# Altium PCB OneBox.PcbDoc (part 12 of 13) (continued)
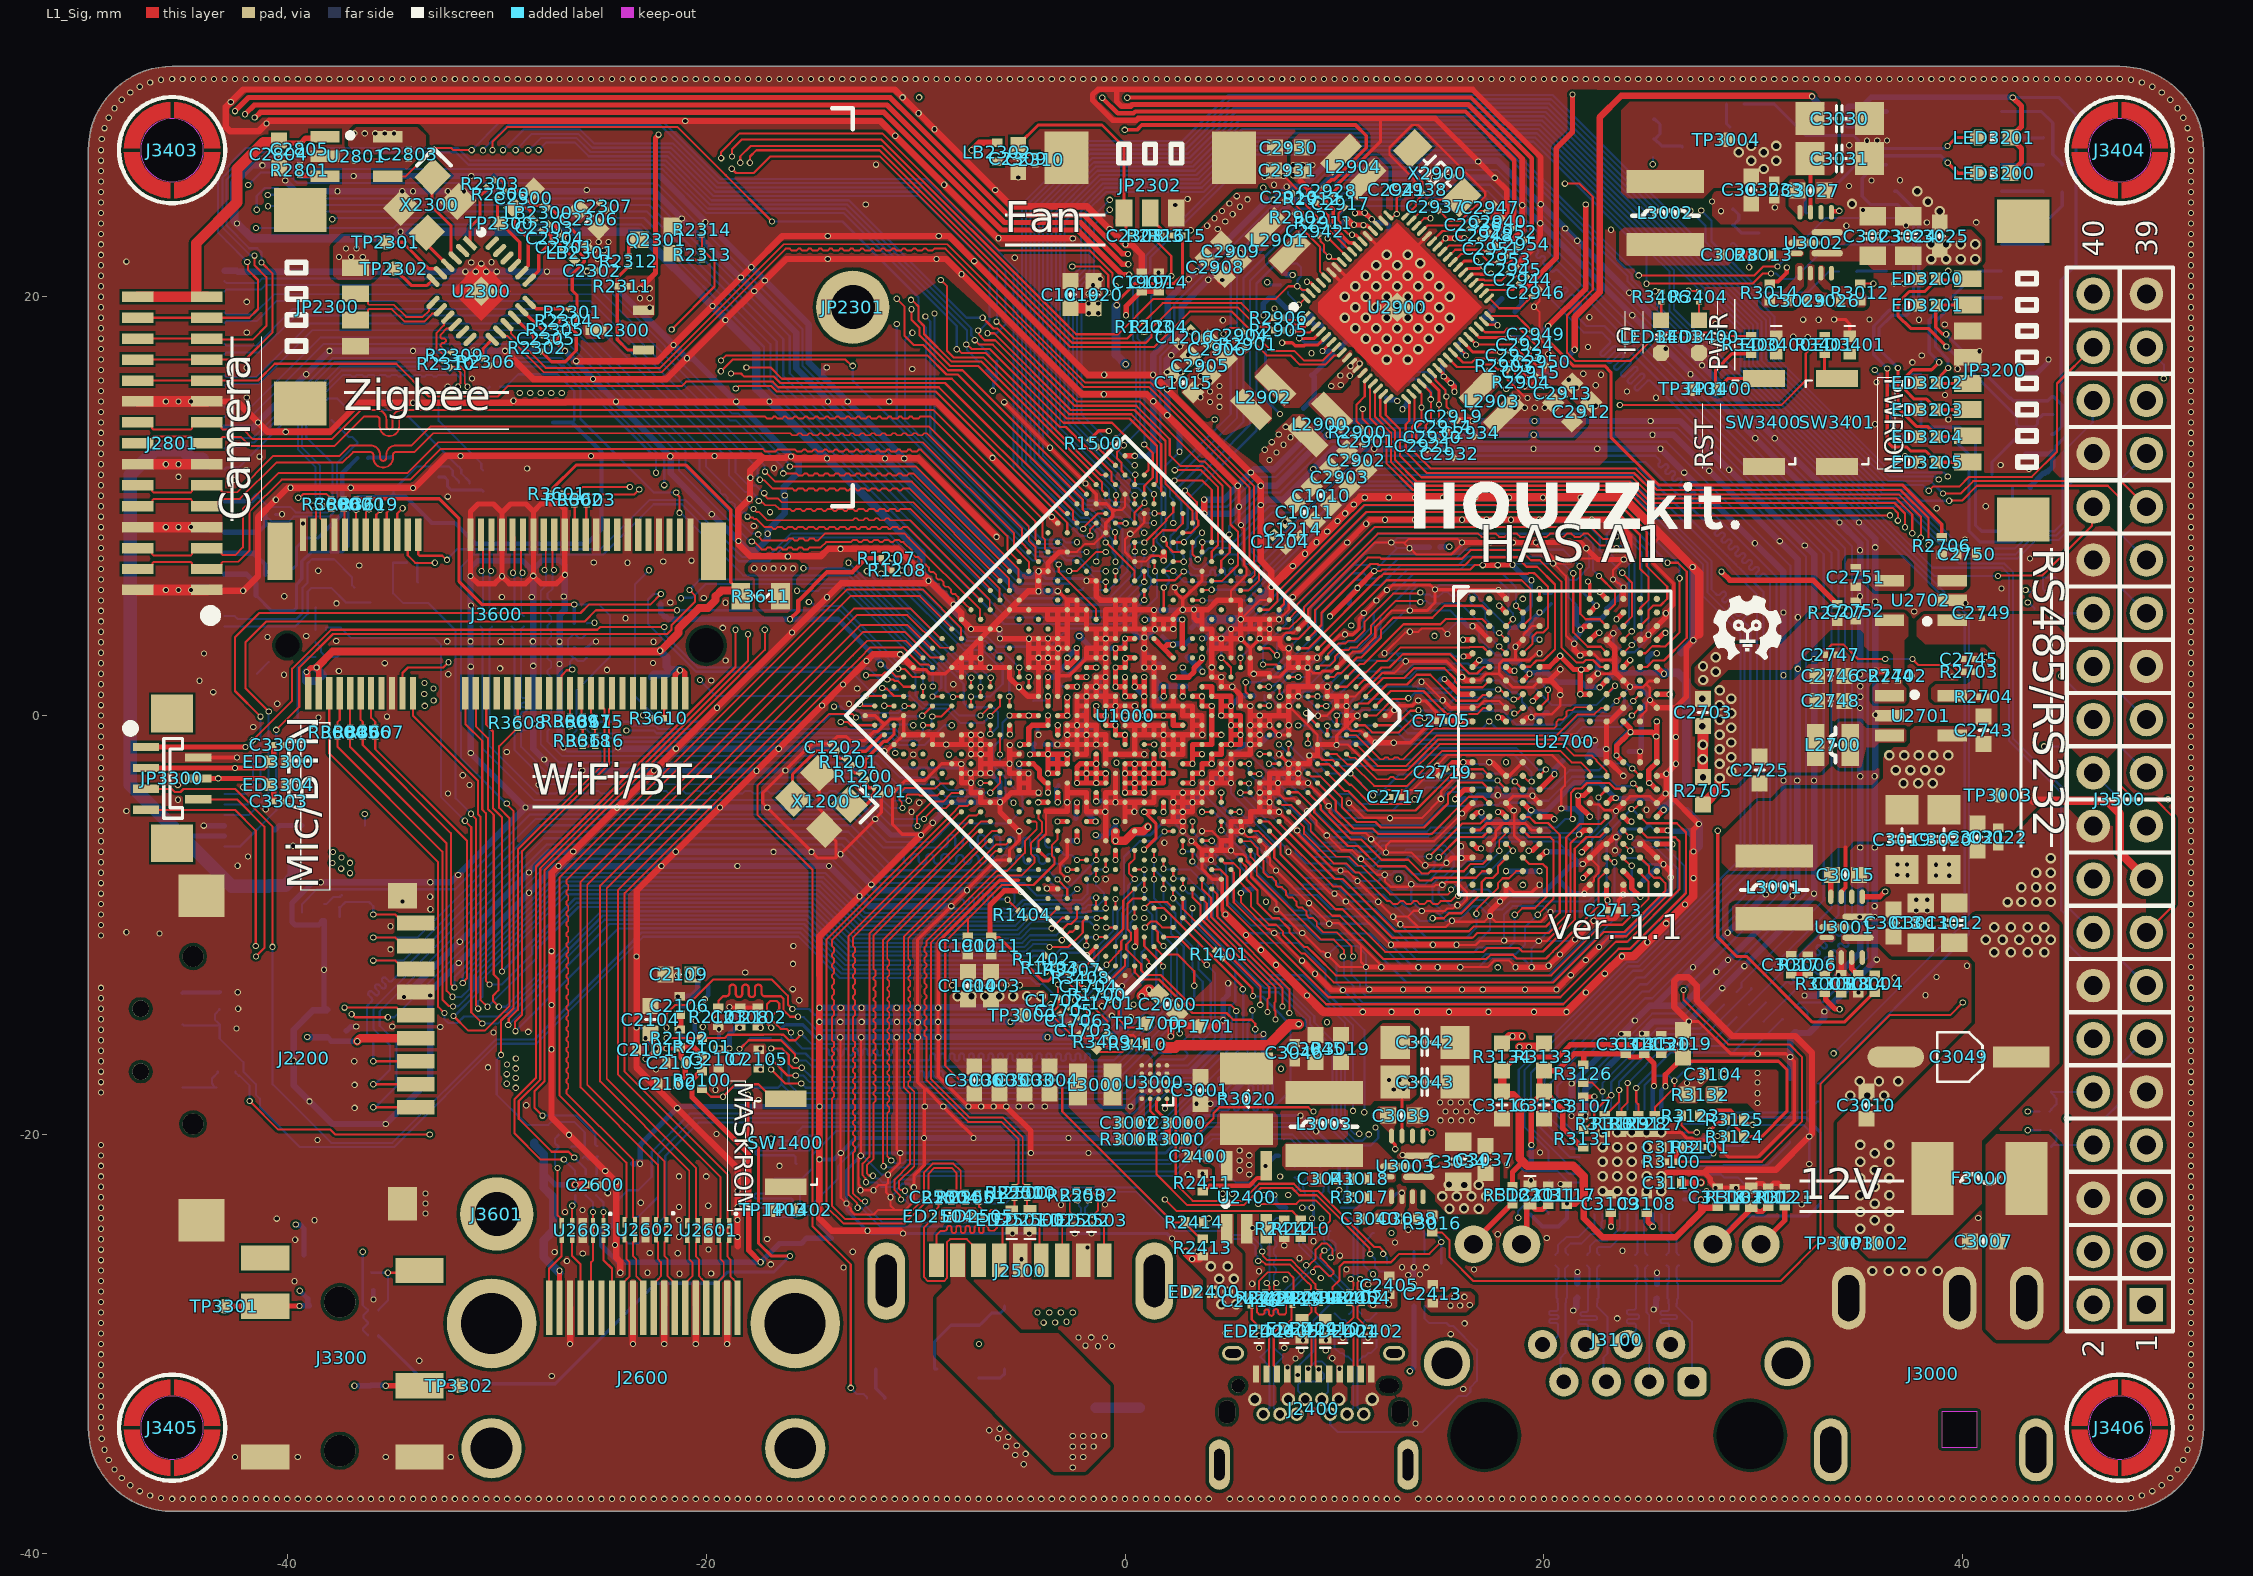
[diagram p0: L1_Sig view]
## Nets (pads, with @x,y where several pads share a name; then routed paths per layer and width w, separated by ;. In a path a pad name is that pad's centre, name@x,y a point inside that pad or via, vN(x,y) a via of type N, cw(c..) or ccw(c..) an arc to the next point about the centre after c; other vN are vias at no path point) (continued)
  L1_Sig w0.254: v1(-4.541,-1.852) -4.528,-1.852 -4.519,-1.843 -4.141,-1.843 U1000.U21@-4.137,-1.838 v1(-3.677,-1.838) ; U1000.U20@-3.677,-1.379 v1(-3.677,-1.838) ; v1@1.838,0.934 U1000.P11@1.838,1.379 ; -3.677,-2.298 v1(-3.677,-1.838) ; -3.677,-2.298 v1(-3.677,-2.758) U1000.R21@-3.217,-2.758 -3.217,-2.298 ; -3.677,-2.298 -3.217,-2.298 ; v1(-3.677,-1.838) -3.217,-1.838 ; -3.217,-2.298 U1000.R20@-2.758,-2.298 v1(-2.758,-1.838) -3.217,-1.838 ; -3.217,-2.298 -3.217,-1.838
  L4_Sig w0.152: v1(-2.758,-1.838) -0.323,-1.838 0.24,-1.275 1.407,-0.108 1.407,0.071 1.846,0.51 v1(1.846,0.927) 1.846,0.944 1.833,0.957 1.833,1.144 1.739,1.238 1.739,2.462 2.277,3 2.494,3 3.851,4.357 11.202,11.708 12.508,11.708 14.6,13.8 v1(14.6,15.1)
  L4_Sig w0.254: v1(-3.677,-1.838) v1@-3.663,-1.838 ; v1@14.591,15.091 v1(14.6,15.1)
  L6_Sig w0.152: LB2901.1@13.574,15.974 13.574,15.982 13.663,16.071 14.029,16.071 14.6,15.5 v1(14.6,15.1)
  L6_Sig w0.203: C1913.2@-4.518,-1.852 -4.445,-1.852 -4.37,-1.778 -4.37,-1.613 -4.367,-1.61 -4.367,-1.391 C1912.2@-4.345,-1.37
  L6_Sig w0.254: v1(-4.541,-1.852) -4.541,-1.854 C1913.2@-4.518,-1.876 -4.482,-1.839 v1(-3.677,-1.838) ; C1912.2@-4.345,-1.37 C1912.2@-4.343,-1.368 ; v1(-3.677,-2.758) v1(-3.677,-1.838) ; C1906.2@-3.076,-2.253 C1906.2@-3.126,-2.253 -3.199,-2.18 -3.335,-2.18 v1(-3.677,-1.838) ; v1@-2.767,-1.847 v1(-2.758,-1.838) v1(-3.677,-1.838) ; C1208.2@1.336,0.446 1.336,0.496 1.409,0.569 1.459,0.569 1.798,0.908 C1209.2@1.859,0.908
WIFI_LED: J3600.6 U1000.D27 | length 53
  L1_Sig w0.102: J3600.6@-38,1.075 -38,-1.8 -32.8,-7 -32.8,-13.9 v1(-32.5,-14.2) ; v1(-1.383,-10.581) -1.378,-10.576 -0.924,-10.576 U1000.D27@-0.919,-10.571
  L4_Sig w0.102: v1@-1.418,-10.616 v1(-1.383,-10.581)
  L6_Sig w0.102: v1(-32.5,-14.2) -32.5,-14.5 -32.328,-14.672 -31.872,-14.672 -31.567,-14.367 -29.893,-14.367 -29.664,-14.138 -29.52,-14.138 -24.928,-9.545 -15.165,-9.545 -13.251,-11.459 -4.649,-11.459 -4.418,-11.227 -3.894,-11.227 -3.739,-11.382 -3.312,-11.382 -3.051,-11.121 -2.49,-11.121 -1.95,-10.581 v1(-1.383,-10.581)
WIFI_REG_ON_H_GPIO3_D4: J3600.21 U1000.AA1 | length 71
  L1_Sig w0.102: J3600.21@-34.151,9.349 -34.151,8.724 J3600.21@-34.25,8.625 -34.25,7.65 -33.892,7.292 -32.959,7.292 v1(-32.954,7.297) ; v1(-6.564,18.26) -6.253,18.26 -2.587,14.594 0.45,14.594 1.932,13.112 1.932,11.068 3.217,9.783 U1000.AA1@3.217,9.192
  L4_Sig w0.102: v1(-32.954,7.297) -32.954,7.325 -32.292,7.987 -32.288,7.987 -30.378,9.897 -30.378,15.284 -28.61,17.053 -28.61,23.31 -29.7,24.4 v1(-29.7,27)
  L6_Sig w0.102: v1(-29.7,27) -28.721,27.979 -26.017,27.979 -25.353,27.315 -21.594,27.315 -21.294,27.015 -19.498,25.219 -9.677,25.219 -5.7,21.242 -5.7,18.7 -6.14,18.26 v1(-6.564,18.26)
WIFI_WAKE_HOST_H_GPIO3_D5: J3600.23 U1000.AA5 | length 45.5
  L1_Sig w0.102: J3600.23@-33.651,9.349 -33.75,9.25 J3600.23@-33.75,8.625 -33.75,7.695 -33.69,7.636 -32.603,7.636 -32.404,7.436 v1(-32.375,7.436) ; U1000.AA5@1.379,7.354 1.406,7.326 1.406,6.925 v1(1.434,6.897)
  L6_Sig w0.102: v1(-32.375,7.436) -32.375,7.468 -31.898,7.946 -25.054,7.946 -22.7,10.3 -21.586,10.3 -21.581,10.295 -20.995,10.295 -18.274,7.574 -17.065,7.574 -15.94,8.7 -11.3,8.7 -10.094,7.494 -10.094,6.392 -7.462,3.761 -6.574,3.761 -6.102,3.289 -3.59,3.289 -2.711,4.168 0.04,4.168 1.523,5.651 1.523,6.754 1.434,6.843 v1(1.434,6.897)
WIFIBT_32KIN_1T1R: C3607.1 J3600.50 R3612.1 R3613.2 R3614.2 | length 5.1
  L1_Sig w0.104: J3600.50@-27,1.075 -26.902,1.173 -26.902,1.898 -26.9,1.9 -26.9,1.917 -26.656,2.162 -26.438,2.162 v1(-26.4,2.2)
  L6_Sig w0.104: v1(-26.4,2.2) -26.4,2.254 -26.5,2.354 -26.5,2.575 R3614.2@-26.325,2.75 ; C3607.1@-25.7,2.75 -25.725,2.75 -25.875,2.6 -26.125,2.6 -26.275,2.75 R3614.2@-26.3,2.75 R3614.2@-26.325,2.75 ; R3613.2@-25.7,3.9 -25.725,3.9 -25.919,3.706 -26.081,3.706 -26.275,3.9 R3612.1@-26.3,3.9 -26.325,3.9 -26.604,3.621 -26.604,3.029 R3614.2@-26.325,2.75
XRSTJ: R2302.2 U2300.16 | length 1.7
  L1_Sig w0.152: U2300.16@-29.155,19.023 -28.236,18.104 -28.236,17.855 -28.218,17.837 -28.218,17.768 R2302.2@-28.236,17.75
pads on no net: "J3401. " J2200.0 J2400.0 J2400.A8 J2400.B8 J2400.N J2500.10 J2500.11 J2600.14 J2600.MH1 J2600.MH2 J2600.MH3 J2600.MH4 J2800.0 J2800.2 J2800.5 J2800.8 J2800.10 J2800.12 J2800.14 J2800.16 J3100. J3100.HM3 J3100.HM4 J3300.0 J3300.6 J3401.0 J3600.16 J3600.38 J3600.40 J3600.44 J3600.46 J3600.48 J3600.59 J3600.61 J3600.62 J3600.64 J3600.65 J3600.66 J3600.67 J3600.68 J3600.71 J3600.73 J3600.76 J3600.77 J3600.78 J3600.79 J3601.1 JP2300.0 JP2301.1 JP2802.0 JP3200.0 JP3300.8 JP3300.9 U1000.AA25 U1000.AA27 U1000.AA28 U1000.AB23 U1000.AB27 U1000.AB28 U1000.AC14 U1000.AC17 U1000.AC27 U1000.AC28 U1000.AD9 U1000.AD11 U1000.AD12 U1000.AD14 U1000.AD15 U1000.AD17 U1000.AD18 U1000.AD20 U1000.AD27 U1000.AD28 U1000.AE9 U1000.AE11 U1000.AE12 U1000.AE15 U1000.AE18 U1000.AG9 U1000.AG27 U1000.AH9 U1000.AH25 U1000.B28 U1000.C27 U1000.C28 U1000.F5 U1000.F7 U1000.F8 U1000.F21 U1000.F24 U1000.G20 U1000.G23 U1000.H25 U1000.J28 U1000.K27 U1000.K28 U1000.L25 U1000.L27 U1000.L28 U1000.M4 U1000.M5 U1000.M7 U1000.M25 U1000.M27 U1000.M28 U1000.N27 U1000.P1 U1000.P2 U1000.P4 U1000.P5 U1000.P7 U1000.P8 U1000.R4 U1000.R5 U1000.R7 U1000.R24 U1000.R25 U1000.T1 U1000.T2 U1000.U24 U1000.U25 U1000.V4 U1000.V5 U1000.V6 U1000.Y25 U2100.A7 U2100.A8 U2100.A9 U2100.A10 U2100.A11 U2100.A12 U2100.A13 U2100.A14 U2100.B1 U2100.B7 U2100.B8 U2100.B9 U2100.B10 U2100.B11 U2100.B12 U2100.B13 U2100.B14 U2100.C1 U2100.C3 U2100.C7 U2100.C8 U2100.C9 U2100.C10 U2100.C11 U2100.C12 U2100.C13 U2100.C14 U2100.D1 U2100.D2 U2100.D3 U2100.D4 U2100.D12 U2100.D13 U2100.D14 U2100.E1 U2100.E2 U2100.E3 U2100.E5 U2100.E8 U2100.E9 U2100.E10 U2100.E12 U2100.E13 U2100.E14 U2100.F1 U2100.F2 U2100.F3 U2100.F10 U2100.F12 U2100.F13 U2100.F14 U2100.G1 U2100.G2 U2100.G3 U2100.G10 U2100.G12 U2100.G13 U2100.G14 U2100.H1 U2100.H2 U2100.H3 U2100.H12 U2100.H13 U2100.H14 U2100.J1 U2100.J2 U2100.J3 U2100.J12 U2100.J13 U2100.J14 U2100.K1 U2100.K2 U2100.K3 U2100.K6 U2100.K7 U2100.K10 U2100.K12 U2100.K13 U2100.K14 U2100.L1 U2100.L2 U2100.L3 U2100.L12 U2100.L13 U2100.L14 U2100.M1 U2100.M2 U2100.M3 U2100.M7 U2100.M8 U2100.M9 U2100.M10 U2100.M11 U2100.M12 U2100.M13 U2100.M14 U2100.N1 U2100.N3 U2100.N6 U2100.N7 U2100.N8 U2100.N9 U2100.N10 U2100.N11 U2100.N12 U2100.N13 U2100.N14 U2100.P1 U2100.P2 U2100.P7 U2100.P8 U2100.P9 U2100.P10 U2100.P11 U2100.P12 U2100.P13 U2100.P14 U2300.2 U2300.11 U2300.12 U2300.22 U2300.23 U2300.24 U2402.3 U2402.8 U2600.A1 U2600.A3 U2700.A1 U2700.A2 U2700.A11 U2700.A12 U2700.AA1 U2700.AA12 U2700.AB1 U2700.AB2 U2700.AB11 U2700.AB12 U2700.B1 U2700.B12 U2700.G11 U2700.K5 U2700.K8 U2700.N5 U2700.N8 U2802.6 U3001.4 U3001.12 U3002.4 U3002.12 U3003.4 U3003.12
copper on no net: | length 0.9
  L1_Sig w0.102: 2453.265,-78.486 2453.365,-78.386 2453.465,-78.386 2453.565,-78.486 2453.665,-78.486 2453.765,-78.386 2453.865,-78.386 2453.965,-78.486

## Polygon pours and split planes (outlines as drawn)
GND on L1_Sig "GND_L01_P275" (solid, remove dead copper, pour order 275): -45.5,-38 cw(c-45.5,-34) -49.5,-33.997 -49.5,-34 -49.5,27 cw(c-45.5,27) -45.497,31 47.5,31 cw(c47.5,27) 51.5,26.997 51.5,26.994 51.5,-34.003 51.5,-34 cw(c47.5,-34) 47.497,-38 47.494,-38
GND on L1_Sig "GND_L01_P277" (solid, pour order 277): 9.292,-29.408 9.2,-29.5 9.2,-29.937 9.307,-30.044 10.547,-30.044 10.613,-29.978 10.613,-29.573 10.448,-29.408
GND on L1_Sig "GND_L01_P276" (solid, pour order 276): 7.437,-29.511 7.548,-29.4 8.7,-29.4 8.8,-29.5 8.796,-29.504 8.796,-29.928 8.794,-29.928 8.666,-30.056 8.664,-30.053 7.749,-30.053 7.547,-30.254 7.543,-30.25 7.346,-30.25 7.346,-29.602
VCC3V3_OUT on L1_Sig "VCC3V3_OUT_L01_P269" (solid, remove dead copper, pour order 269): 11.735,-27.377 12.877,-27.377 13,-27.5 13,-28.2 12.9,-28.3 11.7,-28.3 11.6,-28.2 11.6,-27.508
VDD_CPU on L1_Sig "VDD_CPU_L01_P172" (solid, pour order 172): 21 vertices, not listed, extent -8.381,-20.5 0.124,-13.108
VCC3V3_OUT on L1_Sig "VCC3V3_OUT_L01_P191" (solid, pour order 191): 24,24.7 23.7,25 23.7,28.9 24.1,29.3 34,29.3 34,26.1 33.7,25.8 31.7,25.8 31.1,25.2 28.1,25.2 27.6,24.7
VCC_5V_S on L1_Sig "VCC_5V_S_L01_P166" (solid, pour order 166): 12.654,-20.454 12.785,-20.454 12.843,-20.397 12.843,-19.601 12.984,-19.46 12.984,-18.701 12.937,-18.654 12.046,-18.654 12,-18.7 12,-19.304 12.604,-19.908 12.604,-20.404
GND on L1_Sig "GND_L01_P268" (solid, pour order 268): 29.8,-2.967 29.913,-2.854 33.446,-2.854 33.626,-2.674 35.874,-2.674 36,-2.8 36,-3 35.7,-3.3 31.1,-3.3 30.7,-3.7 29.9,-3.7 29.8,-3.6
GND on L1_Sig "GND_L01_P267" (solid, pour order 267): 28 vertices, not listed, extent 34.2,-9.8 47.1,-4.4
VCC3V3_SYS on L1_Sig "VCC3V3_SYS_L01_P266" (solid, pour order 266): 35 vertices, not listed, extent 28.5,-7.4 44.9,4.828
NetC3017_2 on L1_Sig "NETC3017_2_L01_P265" (solid, pour order 265): 17 vertices, not listed, extent 29,-11.8 34.7,-9
NetR3006_2 on L1_Sig "NETR3006_2_L01_P264" (solid, pour order 264): 33.836,-10.436 33.9,-10.5 33.9,-10.7 33.8,-10.8 33.4,-10.8 33,-11.2 33,-11.7 32.9,-11.8 32.3,-11.8 32.2,-11.7 32.2,-11.4 33.164,-10.436
VCC0V6_DDR on L1_Sig "VCC0V6_DDR_L01_P132" (solid, pour order 132): 18 vertices, not listed, extent 28.15,-3.3 33.6,3.2
NetL2700_1 on L1_Sig "NETL2700_1_L01_P263" (solid, pour order 263): 34.1,-0.3 35.1,-0.3 35.4,-0.6 37.2,-0.6 37.3,-0.7 37.3,-1.2 37.2,-1.3 36,-1.3 35.3,-2 35.3,-2.3 35.1,-2.5 34.1,-2.5 34,-2.4 34,-0.4
VCC12V_DCIN on L1_Sig "VCC12V_DCIN_L01_P110" (solid, pour order 110): 26 vertices, not listed, extent 34,-25.9 44.6,-9.5
GND on L1_Sig "GND_L01_P193" (solid, pour order 193): 36 vertices, not listed, extent 27.9,22.7 39.7,29.8
SW5 on L1_Sig "SW5_L01_P186" (solid, pour order 186): 11.9,23.939 11.239,24.6 11.006,24.6 10.4,25.206 10.4,25.4 11.7,26.7 12.021,26.7 12.57,26.151 12.57,25.47 12.285,25.185 12.285,23.81 12.585,23.509 12.585,23.437 12.538,23.389 12.45,23.389
GND on L1_Sig "GND_L01_P174" (solid, pour order 174): 24 vertices, not listed, extent 0.009,-19.6 4.267,-17.318
VCC3V3_SYS on L1_Sig "VCC3V3_SYS_L01_P152" (solid, pour order 152): 10.184,15.481 9.943,15.481 9.748,15.675 9.748,15.948 10.961,17.161 11.117,17.161 11.429,16.849 11.429,16.726 10.988,16.285
VCC5V_P on L1_Sig "VCC5V_P_L01_P211" (solid, pour order 211): 17 vertices, not listed, extent -26,18 -24.3,24.5
VCC3V3_SYS on L1_Sig "VCC3V3_SYS_L01_P233" (solid, pour order 233): -15.9,6.6 -15.6,6.9 -15.6,7.2 -15.7,7.3 -17.8,7.3 -18,7.1 -18,6.9 -17.9,6.8 -17.7,6.8 -17.5,6.6 -17.5,5.2 -17.2,4.9 -16.1,4.9 -15.9,5.1
VDD_NPU on L1_Sig "VDD_NPU_L01_P150" (solid, pour order 150): 8,24.4 8.317,24.083 8.317,23.817 6.7,22.2 6.1,22.2 5.8,22.5 5.2,22.5 4,21.3 3.7,21.3 3.1,21.9 3.1,22.8 5.3,25 7.4,25
VDD_GPU on L1_Sig "VDD_GPU_L01_P145" (solid, pour order 145): 5.36,18.1 5.154,18.1 4.951,17.898 4.602,17.898 4.6,17.9 2.7,16 2.7,15.4 4.7,13.4 6.3,13.4 7,14.1 7,14.7 5.7,16 5.7,17.2 5.9,17.4 5.9,17.56
VDD_LOGIC on L1_Sig "VDD_LOGIC_L01_P140" (solid, pour order 140): 7,10.6 7,11.52 6.4,12.12 6.4,12.8 8,14.4 8.5,14.4 9.7,13.2 10.4,13.2 10.8,13.6 10.894,13.6 11.547,12.947 11.547,12.834 8.213,9.5 8.1,9.5
GND on L1_Sig "GND_L01_P250" (solid, pour order 250): 7.4,25.2 7.495,25.105 7.802,25.105 7.974,25.277 7.974,25.528 7.7,25.8 7.7,27.7 7.5,27.9 4.1,27.9 3.9,27.7 3.9,25.6 4.1,25.4 6.7,25.4 6.9,25.2
PHY1_REG_OUT on L1_Sig "PHY1_REG_OUT_L01_P202" (solid, pour order 202): 27.3,-16.8 26.3,-17.8 26.3,-18.4 26.4,-18.5 27.3,-18.5 27.5,-18.3 27.5,-17.749 27.9,-17.349 27.9,-16.905 27.795,-16.8
NetC3028_2 on L1_Sig "NETC3028_2_L01_P192" (solid, pour order 192): 33.1,22.8 32.328,22.8 31.828,23.3 23.8,23.3 23.6,23.1 23.6,21.8 23.9,21.5 28.8,21.5 29,21.7 29,22.3 29.061,22.361 33.061,22.361 33.2,22.5 33.2,22.7
SW4 on L1_Sig "SW4_L01_P149" (solid, pour order 149): 8.9,20.993 8.607,20.993 7.485,20.993 6.832,21.646 6.832,21.832 8.165,23.165 8.348,23.165 9.194,22.318 9.194,20.956 9.642,20.509 9.642,20.442 9.556,20.356 9.538,20.356
SW2 on L1_Sig "SW2_L01_P139" (solid, pour order 139): 17 vertices, not listed, extent 6.2,14.7 10.901,17.445
NetL2903_2 on L1_Sig "NETL2903_2_L01_P135" (solid, pour order 135): 16,15.879 16,15 16.5,14.5 16.6,14.5 18,15.9 18,16 17.375,16.625 17.28,16.625 17.138,16.482 15.778,16.482 15.51,16.75 15.384,16.75 15.009,17.125 14.994,17.125 14.874,17.005
VCC_1V8 on L1_Sig "VCC_1V8_L01_P187" (solid, pour order 187): 7.933,25.718 8.251,25.4 9.2,25.4 9.518,25.718 10.018,25.718 11.2,26.9 11.2,27.4 10.818,27.782 8.282,27.782 7.9,27.4 7.9,25.751
VDD_CPU_COM on L1_Sig "VDD_CPU_COM_L01_P170" (solid, pour order 170): 0.947,-19.523 0.947,-20.4 0.847,-20.5 0.406,-20.5 0.318,-20.412 0.318,-19.182 0.647,-18.853 0.647,-18.211 0.696,-18.162 0.882,-18.162 0.947,-18.227
NetC3038_1 on L1_Sig "NETC3038_1_L01_P163" (solid, pour order 163): 13.681,-22.6 13.869,-22.6 13.939,-22.67 13.939,-23.495 14.041,-23.597 14.893,-23.597 14.959,-23.662 14.959,-24.115 14.764,-24.309 13.612,-24.309 13.5,-24.197 13.5,-23.561 13.558,-23.503 13.558,-22.723
GND on L1_Sig "GND_L01_P257" (solid, pour order 257): -30.204,21.814 -29.332,20.943 -29.332,20.261 -30.746,18.846 -32.161,20.261 -32.161,20.938 -31.284,21.814
GND on L1_Sig "GND_L01_P251" (solid, pour order 251): -8.579,-23.6 -7.3,-23.6 -7.2,-23.7 -7.2,-24.1 -7.249,-24.149 -8.651,-24.149 -8.7,-24.1 -8.7,-23.721
NetC3040_1 on L1_Sig "NETC3040_1_L01_P162" (solid, pour order 162): 17 vertices, not listed, extent 10.9,-24.3 12.863,-22.543
NetR3018_2 on L1_Sig "NETR3018_2_L01_P164" (solid, pour order 164): 11.3,-21.9 11.392,-21.808 12.82,-21.808 12.932,-21.92 12.932,-22.209 12.864,-22.278 12.153,-22.278 12.045,-22.386 11.403,-22.386 11.3,-22.283
NetC3041_1 on L1_Sig "NETC3041_1_L01_P161" (solid, pour order 161): 9.8,-21.874 9.868,-21.806 10.933,-21.806 11,-21.874 11,-22.351 10.959,-22.392 9.882,-22.392 9.8,-22.309
VCC_DDR on L1_Sig "VCC_DDR_L01_P136" (solid, pour order 136): 17,13.3 21.4,13.3 22,13.9 22,14.2 20.6,15.6 20.381,15.6 20.181,15.4 18.9,15.4 18.8,15.5 18.5,15.5 17.5,14.5 17,14
VCC1V8_DDR on L1_Sig "VCC1V8_DDR_L01_P081" (solid, pour order 81): 26 vertices, not listed, extent 27.2,1.4 37.4,4.9
NetC2744_2 on L1_Sig "NETC2744_2_L01_P249" (solid, pour order 249): 36.066,1.727 35.7,1.361 35.7,0.7 35.8,0.6 37.2,0.6 37.3,0.7 37.3,1.3 37.1,1.5 37.1,1.732 37.02,1.813 36.152,1.813
SW1 on L1_Sig "SW1_L01_P137" (solid, pour order 137): 19 vertices, not listed, extent 8.78,13.4 11.586,16.599
VCC5V0_SYS on L1_Sig "VCC5V0_SYS_L01_P168" (solid, pour order 168): 18 vertices, not listed, extent 1.477,-18.6 13.9,-14.7
GND on L1_Sig "GND_L01_P214" (solid, pour order 214): 17 vertices, not listed, extent -40.9,25.7 -37.198,27.148
NetL3000_2 on L1_Sig "NETL3000_2_L01_P171" (solid, pour order 171): -1.1,-16.2 -1.3,-16.4 -1.3,-18.404 -1.066,-18.638 -0.1,-18.638 -0.1,-17.5 0.177,-17.223 1.26,-17.223 1.37,-17.113 1.37,-16.47 1.1,-16.2
VCC5V0_USB30_HOST1 on L1_Sig "VCC5V0_USB30_HOST1" (solid, pour order 239): -1.9,-36.1 -0.7,-34.9 -0.7,-32 -3.2,-29.5 -5,-29.5 -7.6,-26.9 -7.6,-25.2 -7.601,-25.201 -8.331,-25.201 -8.331,-27.118 -9.001,-27.788 -9.001,-30.499 -3.4,-36.1
VBUS_TYPEC0 on L1_Sig "VBUS_TYPEC0_L01_P178" (solid, pour order 178): 2.8,-25.4 2.7,-25.5 2.7,-25.7 3.9,-26.9 3.9,-28.3 4.3,-28.7 5.3,-28.7 5.6,-28.4 5.6,-25.7 5.2,-25.3 5.2,-23.8 4.4,-23.8 4.4,-25 4,-25.4
VCC3V3_OUT on L1_Sig "VCC3V3_OUT_L01_P213" (solid, pour order 213): -37.1,27.2 -36.7,26.8 -35.7,26.8 -33.8,26.8 -33.4,27.2 -33.4,27.7 -33.8,28.1 -36.7,28.1 -37.1,27.7
GND on L1_Sig "GND_L01_P167" (solid, pour order 167): 19 vertices, not listed, extent 13.2,-21.2 17.3,-14.7
NetC3041_2 on L1_Sig "NETC3041_2_L01_P160" (solid, pour order 160): 19 vertices, not listed, extent 7.5,-22.5 13.7,-20.4
VCC12V_DCIN on L1_Sig "VCC12V_DCIN_L01_P154" (solid, pour order 154): 14.5,-21.8 15,-21.3 17.7,-21.3 17.9,-21.5 17.9,-23.2 17.3,-23.8 15.4,-23.8 14.8,-23.2 14.8,-22.9 14.2,-22.3 13.3,-22.3 13.2,-22.2 13.2,-21.9 13.3,-21.8
VCC5V0_USB on L1_Sig "VCC5V0_USB_L01_P207" (solid, pour order 207): 19 vertices, not listed, extent 3.6,-22.3 7.3,-18.9
VCC5V0_USB on L1_Sig "VCC5V0_USB_L01_P235" (solid, pour order 235): 15.4,-27.7 15.6,-27.5 16.5,-27.5 16.7,-27.7 16.7,-28.1 16.3,-28.5 14.6,-28.5 14.3,-28.2 14.3,-27.9 14.5,-27.7
NetC2751_2 on L1_Sig "NETC2751_2_L01_P084" (solid, pour order 84): 34.5,7.5 37.2,7.5 37.5,7.2 37.5,6.2 37.2,5.9 35.8,5.9 35.4,6.3 35.4,6.6 35.3,6.7 34.5,6.7 34.5,6.8 34.4,6.9 34.4,7.3
NetC3026_1 on L1_Sig "NETC3026_1_L01_P198" (solid, pour order 198): 17 vertices, not listed, extent 33.09,19.5 35.4,21.5
GND on L1_Sig "GND_L01_P197" (solid, pour order 197): 32.663,21.548 32.6,21.485 32.6,20.5 32.3,20.2 32.3,19.5 32.4,19.4 33.5,19.4 33.6,19.5 33.6,20.1 33.5,20.2 33.3,20.2 32.9,20.6 32.9,21.5 32.852,21.548
NetC3029_1 on L1_Sig "NETC3029_1_L01_P196" (solid, pour order 196): 32.3,21.6 32.4,21.5 32.4,20.5 32.1,20.2 32.1,19.7 31.9,19.5 30.5,19.5 30.4,19.6 30.4,20 30.6,20.2 31.3,20.2 32,20.9 32,21.5 32.1,21.6
VCC5V_P on L1_Sig "VCC5V_P_L01_P215" (solid, pour order 215): -36,20.8 -35.7,21.1 -35.7,22.2 -36.4,22.9 -37.3,22.9 -37.8,22.4 -37.8,21 -37.6,20.8
VCC5V0_USB on L1_Sig "VCC5V0_USB_L01_P210" (solid, pour order 210): -22.6,19 -22.459,19.141 -22.459,20.859 -22.6,21 -23.8,21 -24,20.8 -24,19.2 -23.8,19
GND on L1_Sig "GND_L01_P205" (solid, pour order 205): 22.3,-19.8 22.3,-22.8 22.6,-23.1 25.7,-23.1 26,-22.8 26,-19.7 25.8,-19.5 22.6,-19.5
VDD10_PHY1 on L1_Sig "VDD10_PHY1_L01_P203" (solid, pour order 203): 28.638,-17.7 28.9,-17.438 28.9,-17 29,-16.9 31.1,-16.9 31.2,-17 31.2,-19 31,-19.2 30.4,-19.2 29.7,-18.5 27.8,-18.5 27.7,-18.4 27.7,-17.8 27.8,-17.7
NetR3013_2 on L1_Sig "NETR3013_2_L01_P195" (solid, pour order 195): 32.301,22.224 31.191,22.224 31.165,22.249 30.646,22.249 30.6,22.203 30.6,21.787 30.687,21.7 31.6,21.7 31.8,21.9 32.3,21.9 32.4,22 32.4,22.125
VCC3V3_L on L1_Sig "VCC3V3_L_L01_P194" (solid, pour order 194): 32.427,25.6 32.528,25.499 32.528,24.628 32.4,24.5 32.4,23.9 32.3,23.8 32.2,23.8 31.7,24.3 31.7,25.52 31.78,25.6
VCC12V_DCIN on L1_Sig "VCC12V_DCIN_L01_P190" (solid, pour order 190): 17 vertices, not listed, extent 32.7,21.3 40.9,23.2
VBUS_TYPEC0 on L1_Sig "VBUS_TYPEC0_L01_P179" (solid, pour order 179): 20 vertices, not listed, extent 9.5,-32.9 10.6,-30.2
VBUS_TYPEC0 on L1_Sig "VBUS_TYPEC0_L01_P175" (solid, pour order 175): 20 vertices, not listed, extent 7.4,-32.9 8.5,-30.2
GND on L1_Sig "GND_L01_P165" (solid, pour order 165): 13.346,-22.598 13.431,-22.682 13.431,-23.441 13.3,-23.572 13.3,-24.3 13.259,-24.341 11.975,-24.341 11.786,-24.153 11.786,-23.786 11.96,-23.612 12.755,-23.612 13.003,-23.364 13.003,-22.68 13.085,-22.598
GND on L1_Sig "GND_L01_P129" (solid, pour order 129): 33 vertices, not listed, extent 33.8,-0.5 41.5,3.2
VCC0V6_DDR on L1_Sig "VCC0V6_DDR_L01_P133" (solid, pour order 133): 40.153,2.9 40.209,2.844 40.209,1.935 40.162,1.888 39.941,1.888 39.882,1.947 39.882,2.84 39.942,2.9
NetC2750_2 on L1_Sig "NETC2750_2_L01_P082" (solid, pour order 82): 38.5,7.9 38.7,8.1 40,8.1 40.2,7.9 40.2,6.2 40,6 38.8,6 38.5,6.3 38.5,6.5
GND on L1_Sig "GND_L01_P083" (solid, remove dead copper, pour order 83): 20 vertices, not listed, extent 34.5,5 41.3,8.1
NetC2745_1 on L1_Sig "NETC2745_1_L01_P131" (solid, pour order 131): 38.5,1.3 38.7,1.5 40.2,1.5 40.4,1.7 40.4,2.9 40.5,3 40.7,3 40.8,2.9 40.8,1.2 40.926,1.074 40.926,0.786 40.789,0.649 38.651,0.649 38.5,0.8
GND on L1_Sig "GND_L01_P109" (solid, pour order 109): 40.9,-24.7 40.9,-29.3 40.7,-29.5 39.2,-29.5 38.8,-29.1 38.8,-25.7 40,-24.5 40.7,-24.5
VCC12V_DC_IN on L1_Sig "VCC12V_DC_IN_L01_P103" (solid, pour order 103): 41.6,-20 44.1,-20 44.6,-20.5 44.6,-29.3 44.1,-29.8 41.6,-29.8 41.1,-29.3 41.1,-20.5
GND on L6_Sig "GND_L06_P274" (solid, remove dead copper, pour order 274): -45.5,-38 cw(c-45.5,-34) -49.5,-33.997 -49.5,-34 -49.5,27 cw(c-45.5,27) -45.497,31 47.5,31 cw(c47.5,27) 51.5,26.997 51.5,26.994 51.5,-34.003 51.5,-34 cw(c47.5,-34) 47.497,-38 47.494,-38
NetC2815_1 on L6_Sig "NETC2815_1_L06_P218" (solid, pour order 218): 19 vertices, not listed, extent -36.9,12.7 -34.4,14.5
GND on L6_Sig "GND_L06_P224" (solid, pour order 224): -36,2.6 -35.4,2 -35.4,1.8 -34.9,1.3 -34.9,-0.5 -35,-0.6 -35.7,-0.6 -35.8,-0.5 -35.8,1.3 -36.3,1.8 -37.6,1.8 -37.7,1.9 -37.7,2.4 -37.5,2.6
VCC3V3_OUT on L6_Sig "VCC3V3_OUT_L06_P220" (solid, pour order 220): 21 vertices, not listed, extent -29.1,8.6 -26.6,16.1
VCC5V0_USB on L6_Sig "VCC5V0_USB_L06_P208" (solid, pour order 208): 17 vertices, not listed, extent 14.7,-28.378 16.662,-26.4
SGND on L6_Sig "SGND_L06_P106" (solid, pour order 106): 44.3,-36.6 44.6,-36.3 44.6,-33.2 44.1,-32.7 38.2,-32.7 37.2,-33.7 34.7,-33.7 34.3,-33.3 33.1,-33.3 32.6,-33.8 32.6,-36.3 32.9,-36.6
VCC3V3_SYS on L6_Sig "VCC3V3_SYS_L06_P260" (solid, pour order 260): 10.9,17.3 11.4,16.8 11.4,16.5 10.4,15.5 9.8,15.5 9.6,15.7 9.6,16.2 10.7,17.3
VCC3V3_OUT on L6_Sig "VCC3V3_OUT_L06_P259" (solid, pour order 259): 11.7,-27.5 11.6,-27.6 11.6,-28.141 11.759,-28.3 12.8,-28.3 12.9,-28.2 12.9,-27.5
VDD_GPU on L6_Sig "VDD_GPU_L06_P258" (solid, pour order 258): 4.1,16.9 3.4,16.2 3.4,15.1 4,14.5 4.6,14.5 4.7,14.6 4.7,16.5 4.3,16.9
VCC3V3_SYS on L6_Sig "VCC3V3_SYS_L06_P252" (solid, pour order 252): 15.1,23 16.4,23 16.6,22.8 16.6,22.2 15.8,21.4 15.5,21.4 14.9,22 14.9,22.8
VBUS_TYPEC0 on L6_Sig "VBUS_TYPEC0_L06_P248" (solid, pour order 248): 2.644,-24.994 4.794,-24.994 5.189,-25.389 5.689,-25.389 6.076,-25.776 6.076,-26.8 5.8,-26.8 5.6,-27 5.6,-27.5 5.8,-27.7 5.8,-28.5 5.7,-28.6 3.7,-28.6 2.5,-27.4 2.5,-25.1
VCC3V3_OUT on L6_Sig "VCC3V3_OUT_L06_P222" (solid, pour order 222): 21 vertices, not listed, extent -35.5,-3.2 -32.788,2.6
PHY1_REG_OUT on L6_Sig "PHY1_REG_OUT_L06_P247" (solid, pour order 247): 26.6,-18 26.4,-18.2 26,-18.2 25.89,-18.31 25.89,-19.19 25.974,-19.274 26.126,-19.274 26.6,-18.8 28.2,-18.8 28.3,-18.7 28.3,-16.8 28.2,-16.7 27.3,-16.7 26.6,-17.4
VDD10_PHY1 on L6_Sig "VDD10_PHY1_L06_P246" (solid, pour order 246): 31,-16.7 31.2,-16.9 31.2,-18.7 31.1,-18.8 29,-18.8 28.9,-18.7 28.9,-16.8 29,-16.7
GND on L6_Sig "GND_L06_P232" (solid, pour order 232): 32 vertices, not listed, extent -7.4,-36 -0.2,-29.5
VCC5V0_USB on L6_Sig "VCC5V0_USB_L06_P229" (solid, pour order 229): -2.5,-29.3 -2.2,-29 -2.2,-26.1 -2.6,-25.7 -4.2,-25.7 -4.7,-26.2 -4.7,-28.8 -4.2,-29.3
VCC_MIPI on L6_Sig "VCC_MIPI_L06_P241" (solid, pour order 241): -43.543,12.396 -43.906,12.568 -44.256,12.568 -44.256,11.933 -43.898,11.933 -43.542,12.101
VCC12V_DCIN on L6_Sig "VCC12V_DCIN_L06_P236" (solid, pour order 236): 14.9,-21.3 17.2,-21.3 17.6,-21.7 17.6,-23.4 17.2,-23.8 15,-23.8 14.5,-23.3 14.5,-21.7
VCC5V0_USB30_HOST1 on L6_Sig "VCC5V0_USB30_HOST1_L06_P231" (solid, pour order 231): -4.3,-30.3 -4.3,-34.3 -4.2,-34.4 -4.2,-35.9 -4,-36.1 -2,-36.1 -0.4,-34.5 -0.4,-32.1 -2.5,-32.1 -3.4,-31.2 -3.4,-30.3 -3.5,-30.2 -4.2,-30.2
VCC5V0_USB on L6_Sig "VCC5V0_USB_L06_P228" (solid, pour order 228): -27.8,-18.3 -29.3,-18.3 -29.7,-17.9 -29.7,-16.578 -29.422,-16.3 -27.9,-16.3 -27.5,-16.7 -27.5,-18
VCC3V3_OUT on L6_Sig "VCC3V3_OUT_L06_P227" (solid, pour order 227): -35,-7.7 -34.6,-7.3 -34.6,-6.9 -34.7,-6.8 -36.7,-6.8 -37.2,-6.3 -37.8,-6.3 -38,-6.5 -38,-7.2 -37.5,-7.7
LCD_POW_LED on L6_Sig "LCD_POW_LED_L06_P226" (solid, pour order 226): 20 vertices, not listed, extent -43.8,-0.8 -39,3.4
NetR2802_2 on L6_Sig "NETR2802_2_L06_P225" (solid, pour order 225): -34.8,3.4 -33,3.4 -32.9,3.3 -32.9,2.9 -33,2.8 -34.8,2.8 -34.9,2.9 -34.9,3.3
NetD2800_1 on L6_Sig "NETD2800_1_L06_P223" (solid, pour order 223): -36.4,1.5 -36,1.1 -36,-0.9 -35.9,-1 -35.9,-3 -36.1,-3.2 -36.9,-3.2 -37.4,-2.7 -37.4,0.4 -37.7,0.7 -37.7,1.4 -37.6,1.5
GND on L6_Sig "GND_L06_P221" (solid, pour order 221): -30.6,14.5 -29.1,14.5 -28.7,14.1 -28.7,13.1 -28.1,12.5 -28.1,11.3 -28.2,11.2 -28.203,11.203 -28.863,11.203 -29.184,11.524 -29.184,13.145 -29.639,13.6 -30.5,13.6 -30.8,13.9 -30.8,14.3
NetC2810_1 on L6_Sig "NETC2810_1_L06_P219" (solid, pour order 219): 22 vertices, not listed, extent -31.2,8.6 -28.2,13.4
GND on L6_Sig "GND_L06_P200" (solid, pour order 200): 10.048,21.248 11.3,22.5 14.205,22.5 16.745,19.961 16.745,19.345 14.1,16.7 11.7,16.7 8.7,19.7 8.7,19.9
VCC1V8_DDR on L6_Sig "VCC1V8_DDR_L06_P181" (solid, pour order 181): 26.209,2.237 27.137,2.237 28,3.1 28.4,3.1 28.6,2.9 28.6,2 28,1.4 26.8,1.4 26.2,2 26.2,2.2
VCC12V_DCIN on L6_Sig "VCC12V_DCIN_L06_P111" (solid, pour order 111): 38.1,-18.9 38.9,-19.7 38.9,-24.2 38.3,-24.8 34.3,-24.8 33.7,-24.2 33.7,-19.7 34.5,-18.9
NetC3008_2 on L6_Sig "NETC3008_2_L06_P105" (solid, pour order 105): 38,-29.7 40.7,-29.7 41.2,-30.2 41.2,-32 40.7,-32.5 38.2,-32.5 37.7,-32 37.7,-30
VCC12V_DC_IN on L6_Sig "VCC12V_DC_IN_L06_P104" (solid, pour order 104): 44.2,-32.5 44.6,-32.1 44.6,-26.5 44.2,-26.1 41.9,-26.1 41.4,-26.6 41.4,-32 41.9,-32.5
GND on L3_Pow "GND_L03_P271" (solid, remove dead copper, pour order 271): -45.5,-38 cw(c-45.5,-34) -49.5,-33.997 -49.5,-34 -49.5,27 cw(c-45.5,27) -45.497,31 47.5,31 cw(c47.5,27) 51.5,26.997 51.5,26.994 51.5,-34.003 51.5,-34 cw(c47.5,-34) 47.497,-38 47.494,-38
VCC5V0_USB on L3_Pow "VCC5V0_USB_L03_P206" (solid, pour order 206): 41 vertices, not listed, extent -29.7,-29.945 16.7,20.6
VCC3V3_SYS on L3_Pow "VCC3V3_SYS_L03_P182" (solid, remove dead copper, pour order 182): 78 vertices, not listed, extent -44.9,-23.3 39.7,29.4
VBUS_TYPEC0 on L3_Pow "VBUS_TYPEC0_L03_P177" (solid, pour order 177): 3.55,-26.45 3.55,-26.25 3.9,-25.9 5,-25.9 5.6,-26.5 5.6,-27.4 8.3,-30.1 9.8,-30.1 10.9,-31.2 10.9,-33.05 10.6,-33.35 6.25,-33.35 3.9,-31 3.9,-26.8
VCC3V3_OUT on L3_Pow "VCC3V3_OUT_L03_P183" (solid, pour order 183): 70 vertices, not listed, extent -39.2,-31.7 49.9,28.1
VDD_NPU on L3_Pow "VDD_NPU_L03_P151" (solid, pour order 151): 21 vertices, not listed, extent -9.8,-4.548 6.4,25
VCC12V_DCIN on L3_Pow "VCC12V_DCIN_L03_P126" (solid, pour order 126): 39.9,-3.8 37.6,-6.1 37.6,-9.4 40.3,-12.1 43.6,-12.1 44.6,-11.1 44.6,21.1 42.5,23.2 38.3,23.2 37.7,22.6 37.7,20.2 39.9,18
VCC12V_DCIN on L3_Pow "VCC12V_DCIN_L03_P153" (solid, pour order 153): 17.15,-18.65 19.85,-18.65 22.1,-16.4 35.9,-16.4 39.2,-19.7 39.2,-25 38.3,-25.9 33.6,-25.9 31.8,-24.1 15.7,-24.1 14.8,-23.2 14.5,-22.9 14.5,-21.3
VCC_DDR on L3_Pow "VCC_DDR_L03_P134" (solid, pour order 134): 22 vertices, not listed, extent 2.7,-14.146 28,15.4
VCC5V0_SYS on L3_Pow "VCC5V0_SYS_L03_P234" (solid, pour order 234): 24 vertices, not listed, extent 12,-29.6 47.6,-13.2
VDD_GPU on L3_Pow "VDD_GPU_L03_P146" (solid, pour order 146): 21 vertices, not listed, extent -4.4,0.515 5.8,16.7
VCC5V_P on L3_Pow "VCC5V_P_L03_P212" (solid, pour order 212): -8.2,26.4 -27,26.4 -28.7,24.7 -35.5,24.7 -37.8,22.4 -37.8,21.4 -37,20.6 -26.3,20.6 -23.9,23 -17.6,23 -15.5,25.1 -9.5,25.1
VDD_CPU on L3_Pow "VDD_CPU_L03_P173" (solid, pour order 173): 17 vertices, not listed, extent -8.4,-15.8 4.2,-1.6
VDD_LOGIC on L3_Pow "VDD_LOGIC_L03_P142" (solid, pour order 142): 23 vertices, not listed, extent -1.7,-1.3 10,14.1
GND on L4_Sig "GND_L04_P272" (solid, remove dead copper, pour order 272): -45.5,-38 cw(c-45.5,-34) -49.5,-33.997 -49.5,-34 -49.5,27 cw(c-45.5,27) -45.497,31 47.5,31 cw(c47.5,27) 51.5,26.997 51.5,26.994 51.5,-34.003 51.5,-34 cw(c47.5,-34) 47.497,-38 47.494,-38
VCC0V6_DDR on L4_Sig "VCC0V6_DDR_L04_P180" (solid, pour order 180): 3.5,1.2 4.1,1.8 4.1,3 11.519,10.419 23.781,10.419 29.3,4.9 29.3,-6 21.154,-14.146 9.46,-14.146 4.659,-9.345 4.659,-8.493 2.9,-6.734 2.9,-1.4 3.5,-0.8
GND on L2_Gnd "GND_L02_P270" (solid, remove dead copper, pour order 270): -45.5,-38 cw(c-45.5,-34) -49.5,-33.997 -49.5,-34 -49.5,27 cw(c-45.5,27) -45.497,31 47.5,31 cw(c47.5,27) 51.5,26.997 51.5,26.994 51.5,-34.003 51.5,-34 cw(c47.5,-34) 47.497,-38 47.494,-38
GND on L5_Gnd "GND_L05_P273" (solid, remove dead copper, pour order 273): -45.5,-38 cw(c-45.5,-34) -49.5,-33.997 -49.5,-34 -49.5,27 cw(c-45.5,27) -45.497,31 47.5,31 cw(c47.5,27) 51.5,26.997 51.5,26.994 51.5,-34.003 51.5,-34 cw(c47.5,-34) 47.497,-38 47.494,-38